# Allegro board FMDEMOD-Long.brd (continued)
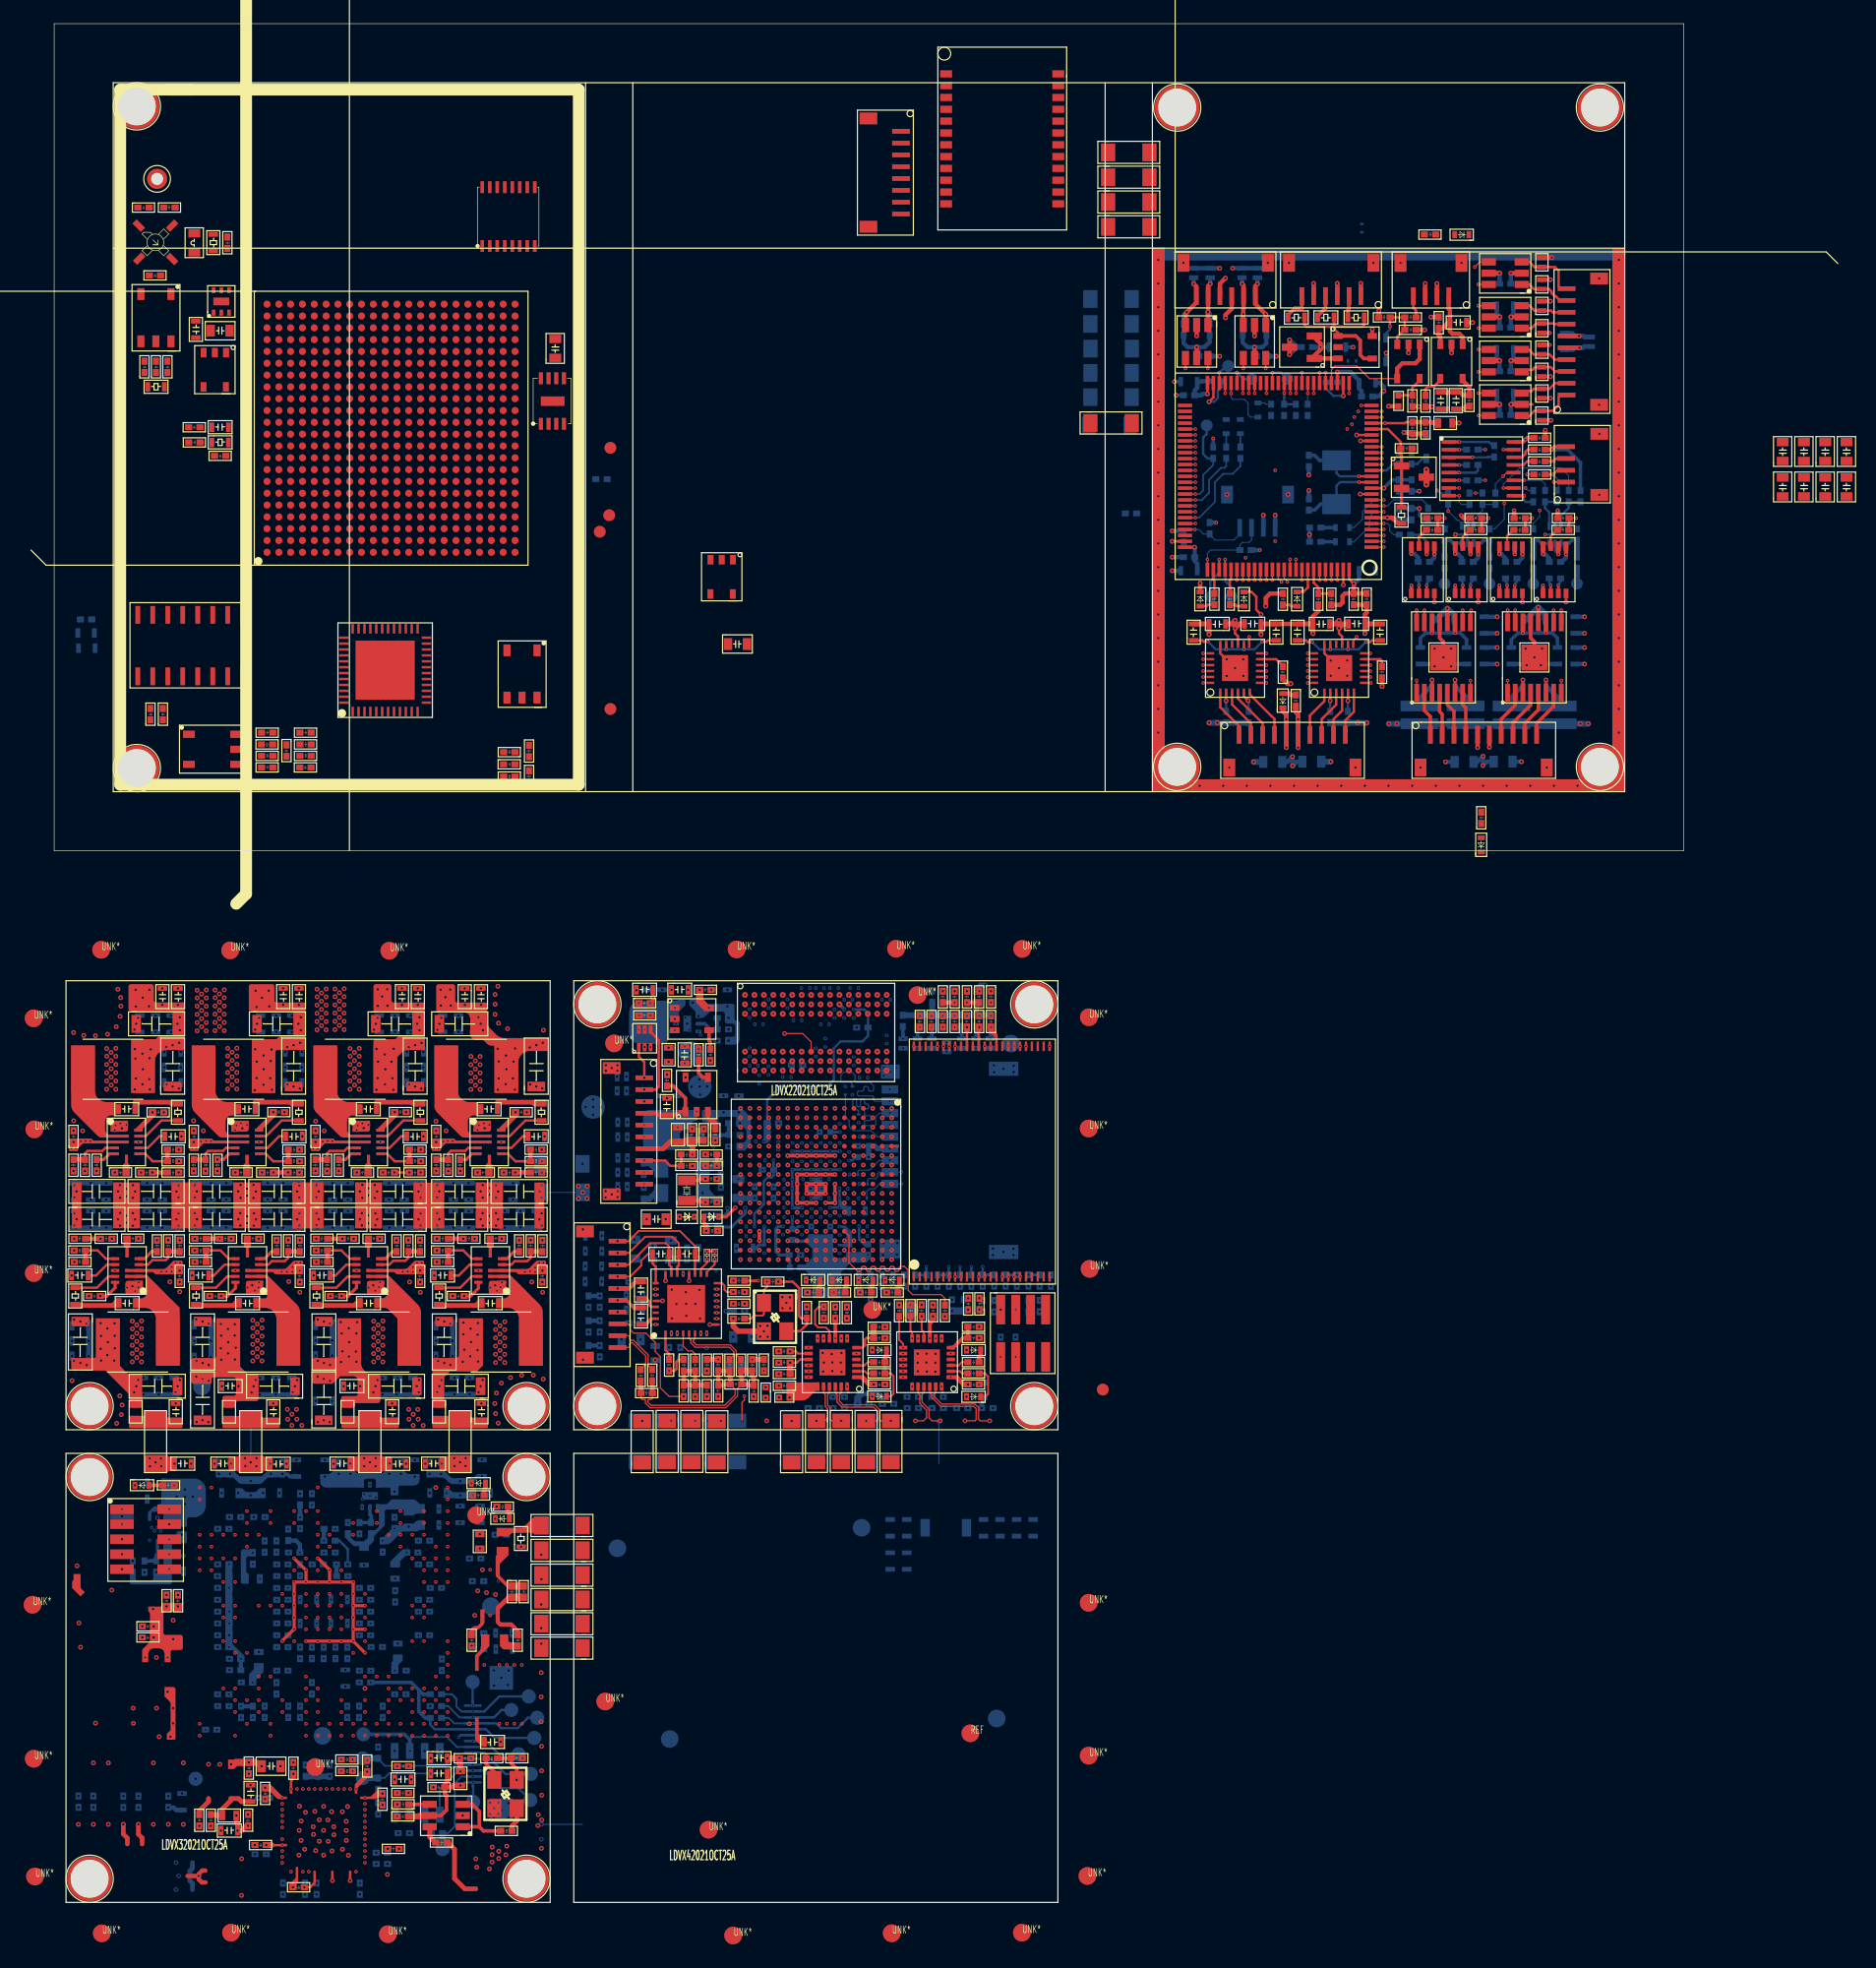
[diagram p0: board, top side]
## Placement (name value [footprint] x y rotation side) (continued)
NOREF#990  -  []  47.28 -32.99 90 top
NOREF#991  -  []  6.9 -62.16 0 top
NOREF#992  -  []  53.89 -42.6 90 top
NOREF#993  -  []  45.66 -38.13 0 top
NOREF#994  -  []  33.73 -84.32 90 top
NOREF#995  -  []  103.5 6.91 0 top
NOREF#996  -  []  119.7 6.91 0 top
NOREF#997  -  []  28.59 -82.1 0 top
NOREF#998  -  []  29.05 -13.15 0 top
NOREF#999  -  []  82.92 -38.51 0 top
NOREF#1000  -  []  7.34 43.12 0 top
NOREF#1001  -  []  25.74 -29.61 90 top
NOREF#1002  -  []  65.49 -26.61 0 top
NOREF#1003  -  []  98.1 25.71 0 top
NOREF#1004  -  []  8.17 -35.03 0 top
NOREF#1005  -  []  35.17 -17.04 0 top
NOREF#1006  -  []  10.08 -21.33 0 top
NOREF#1007  -  []  74.03 -16.81 0 top
NOREF#1008  -  []  11.44 -34.22 0 top
NOREF#1009  -  []  68.86 -21.26 90 top
NOREF#1010  -  []  20.26 -65.56 90 top
NOREF#1011  -  []  8.7 -44.53 90 top
NOREF#1012  -  []  111.1 21.2 90 top
NOREF#1013  -  []  17.67 -28.8 0 top
NOREF#1014  -  []  106.98 18.75 90 top
NOREF#1015  -  []  20.26 -67.56 90 top
NOREF#1016  -  []  9.23 -17.43 90 top
NOREF#1017  -  []  117.49 40.5 0 top
NOREF#1018  -  []  63.89 -28.17 90 top
NOREF#1019  -  []  8.76 -13.15 0 top
NOREF#1020  -  []  16.43 -75.42 0 top
NOREF#1021  -  []  20.44 -41.86 90 top
NOREF#1022  -  []  2.69 -28.03 0 top
NOREF#1023  -  []  102.2 6.9 90 top
NOREF#1024  -  []  51.4 -42.95 0 top
NOREF#1025  -  []  33.48 -46.1 0 top
NOREF#1026  -  []  51.48 -22.45 90 top
NOREF#1027  -  []  30.46 -35.03 0 top
NOREF#1028  -  []  53.2 -35.03 90 top
NOREF#1029  -  []  15.22 -79.76 0 top
NOREF#1030  -  []  56.3 -26.88 0 top
NOREF#1031  -  []  31.5 -27.61 90 top
NOREF#1032  -  []  79.44 -47.56 90 top
NOREF#1033  -  []  118.33 42.86 0 top
NOREF#1034  -  []  75.06 -37.96 0 top
NOREF#1035  -  []  8.88 -66.97 90 top
NOREF#1036  -  []  53.98 -33.15 90 top
NOREF#1037  -  []  26.91 -78.93 0 top
NOREF#1038  -  []  17.08 8.61 0 top
NOREF#1039  -  []  51.63 -18.06 0 top
NOREF#1040  -  []  8.75 -31.99 90 top
NOREF#1041  -  []  22.54 -30.38 0 top
NOREF#1042  -  []  62.5 -18.6 0 top
NOREF#1043  -  []  86.53 -37.96 90 top
NOREF#1044  -  []  114.1 30.67 90 top
NOREF#1045  -  []  28.74 -78.19 0 top
NOREF#1046  -  []  124.56 27.61 0 top
NOREF#1047  -  []  10.52 50.83 0 top
NOREF#1048  -  []  21.73 -23.24 0 top
NOREF#1049  -  []  64.58 -26.04 90 top
NOREF#1050  -  []  77.79 -39.3 90 top
NOREF#1051  -  []  124.08 34.89 90 top
NOREF#1052  -  []  20.43 -29.64 90 top
NOREF#1053  -  []  49.97 -28.22 90 top
NOREF#1054  -  []  35.82 -51.45 90 top
NOREF#1055  -  []  17.67 -26.42 0 top
NOREF#1056  -  []  25.84 -62.15 0 top
NOREF#1057  -  []  21.73 -63.78 0 top
NOREF#1058  -  []  33.56 -35.97 0 top
NOREF#1059  -  []  69.95 -11.8 0 top
NOREF#1060  -  []  13.05 -35.97 0 top
NOREF#1061  -  []  32.19 -45.88 0 top
NOREF#1062  -  []  110.24 43.94 0 top
NOREF#1063  -  []  47.57 -20.02 0 top
NOREF#1064  -  []  19.48 -17.92 0 top
NOREF#1065  -  []  51.39 -36.13 90 top
NOREF#1066  -  []  104.6 -36.3 90 top
NOREF#1067  -  []  63.89 -28.17 0 top
NOREF#1068  -  []  115.18 27.57 90 top
NOREF#1069  -  []  115.34 31.57 90 top
NOREF#1070  -  []  36.47 -33.22 90 top
NOREF#1071  -  []  7.47 -31.23 0 top
NOREF#1072  -  []  47.62 -28.72 90 top
NOREF#1073  -  []  33.86 -66.78 90 top
NOREF#1074  -  []  8.08 39.38 0 top
NOREF#1075  -  []  93 5 0 top
NOREF#1076  -  []  55.45 -13.3 90 top
NOREF#1077  -  []  83.54 -43.22 90 top
NOREF#1078  -  []  129.2 18.9 0 top
NOREF#1079  -  []  74.54 -14.43 0 top
NOREF#1080  -  []  28.59 -80.12 0 top
NOREF#1081  -  []  0.57 -35.28 0 top
NOREF#1082  -  []  17.83 -78.97 90 top
NOREF#1083  -  []  69.67 -37.77 90 top
NOREF#1084  -  []  22.52 -25.12 90 top
NOREF#1085  -  []  78.18 -14.38 90 top
NOREF#1086  -  []  65.49 -28.17 0 top
NOREF#1087  -  []  57.05 -39.98 0 top
NOREF#1088  -  []  57.47 -46.12 90 top
NOREF#1089  -  []  70.53 -44.61 0 top
NOREF#1090  -  []  22.17 -56.87 90 top
NOREF#1091  -  []  45.05 41.51 90 top
NOREF#1092  -  []  99.2 44.13 90 top
NOREF#1093  -  []  24.36 -26.6 0 top
NOREF#1094  -  []  8.78 -62.16 90 top
NOREF#1095  -  []  46.56 -29.48 0 top
NOREF#1096  -  []  14.38 -69.56 0 top
NOREF#1097  -  []  40.46 8.46 0 top
NOREF#1098  -  []  128.42 26.78 0 top
NOREF#1099  -  []  44.72 -42.33 0 top
NOREF#1100  -  []  25.29 -72.85 0 top
NOREF#1101  -  []  21.68 -77.19 90 top
NOREF#1102  -  []  9.22 -19.8 90 top
NOREF#1103  -  []  74.1 -37.96 90 top
NOREF#1104  -  []  77.67 -13.28 90 top
NOREF#1105  -  []  7.09 -13.83 0 top
NOREF#1106  -  []  16.78 -62 0 top
NOREF#1107  -  []  17.03 24.26 0 top
NOREF#1108  -  []  5.24 -29.61 90 top
NOREF#1109  -  []  99.95 24.28 0 top
NOREF#1110  -  []  128.31 40.7 90 top
NOREF#1111  -  []  10.43 -80.47 0 top
NOREF#1112  -  []  66.64 -13.75 0 top
NOREF#1113  -  []  60.35 -43.51 0 top
NOREF#1114  -  []  16.93 -70.81 0 top
NOREF#1115  -  []  5.24 -31.98 90 top
NOREF#1116  -  []  7.11 39.38 0 top
NOREF#1117  -  []  63.42 -14.57 0 top
NOREF#1118  -  []  76.56 -16.81 0 top
NOREF#1119  -  []  37.62 -27.61 0 top
NOREF#1120  -  []  40.95 -29.64 90 top
NOREF#1121  -  []  1 -49 90 top
NOREF#1122  -  []  60.9 -43.9 0 top
NOREF#1123  -  []  24.29 -72.85 0 top
NOREF#1124  -  []  52.78 -44.36 90 top
NOREF#1125  -  []  47.64 -25.7 0 top
NOREF#1126  -  []  37.95 -29.63 90 top
NOREF#1127  -  []  50.91 -41.78 90 top
NOREF#1128  -  []  48.21 -36.88 0 top
NOREF#1129  -  []  79.43 -12.34 90 top
NOREF#1130  -  []  61.09 -26.5 0 top
NOREF#1131  -  []  33.26 -72.56 90 top
NOREF#1132  -  []  75.28 -16.11 0 top
NOREF#1133  -  []  94.3 25.79 90 top
NOREF#1134  -  []  28.86 -64.78 90 top
NOREF#1135  -  []  33.49 -59.06 90 top
NOREF#1136  -  []  72.41 -44.61 90 top
NOREF#1137  -  []  120.24 40.65 0 top
NOREF#1138  -  []  104.12 30.89 0 top
NOREF#1139  -  []  58.93 -39.98 90 top
NOREF#1140  -  []  44.3 -27.8 0 top
NOREF#1141  -  []  9.23 -18.73 90 top
NOREF#1142  -  []  123.4 29.82 90 top
NOREF#1143  -  []  73.17 -37.96 90 top
NOREF#1144  -  []  2.68 -31.99 90 top
NOREF#1145  -  []  114.1 30.67 0 top
NOREF#1146  -  []  122.9 26.78 90 top
NOREF#1147  -  []  72.22 -37.96 0 top
NOREF#1148  -  []  49.2 -11.36 0 top
NOREF#1149  -  []  120.24 30.73 90 top
NOREF#1150  -  []  68.93 -41.62 0 top
NOREF#1151  -  []  126.8 13.06 90 top
NOREF#1152  -  []  104.89 19.3 0 top
NOREF#1153  -  []  64.3 52.4 0 top
NOREF#1154  -  []  31.79 -77.69 0 top
NOREF#1155  -  []  12.07 -26.6 0 top
NOREF#1156  -  []  32.98 -62.78 0 top
NOREF#1157  -  []  70.77 -26.2 0 top
NOREF#1158  -  []  54.7 -27.38 0 top
NOREF#1159  -  []  15.63 -82.05 90 top
NOREF#1160  -  []  74.03 -16.81 90 top
NOREF#1161  -  []  53.45 -22.08 0 top
NOREF#1162  -  []  12.23 -30.38 0 top
NOREF#1163  -  []  115.51 42.91 0 top
NOREF#1164  -  []  11.78 -33.42 90 top
NOREF#1165  -  []  71.8 -57.29 0 top
NOREF#1166  -  []  20.27 -32 0 top
NOREF#1167  -  []  32.12 -28.02 0 top
NOREF#1168  -  []  124.68 42.91 90 top
NOREF#1169  -  []  71.06 -47.19 90 top
NOREF#1170  -  []  41.48 -27.45 0 top
NOREF#1171  -  []  34.95 -83.53 90 top
NOREF#1172  -  []  28.21 -58.21 90 top
NOREF#1173  -  []  36.87 -54.94 90 top
NOREF#1174  -  []  77.67 -11.4 0 top
NOREF#1175  -  []  75.95 -37.15 0 top
NOREF#1176  -  []  72 -58.1 90 top
NOREF#1177  -  []  115.2 43.97 90 top
NOREF#1178  -  []  69.38 -37.96 0 top
NOREF#1179  -  []  81.3 -58.1 90 top
NOREF#1180  -  []  14.99 33.03 90 top
NOREF#1181  -  []  23.47 -36.34 90 top
NOREF#1182  -  []  6.5 -45.88 0 top
NOREF#1183  -  []  17.95 -74.46 90 top
NOREF#1184  -  []  104.02 38.89 0 top
NOREF#1185  -  []  66.98 -32.03 90 top
NOREF#1186  -  []  50.84 -47.07 0 top
NOREF#1187  -  []  3.5 -29.63 90 top
NOREF#1188  -  []  29.25 -28.8 0 top
NOREF#1189  -  []  58.55 -29.59 90 top
NOREF#1190  -  []  56.54 -34.19 90 top
NOREF#1191  -  []  98.49 18 0 top
NOREF#1192  -  []  80.76 -40.12 90 top
NOREF#1193  -  []  36.23 -54.75 90 top
NOREF#1194  -  []  38.84 -35.03 0 top
NOREF#1195  -  []  25.05 -61.78 0 top
NOREF#1196  -  []  27.41 -79.33 0 top
NOREF#1197  -  []  55.84 -46.65 90 top
NOREF#1198  -  []  26.04 -46.68 90 top
NOREF#1199  -  []  10.87 -31.23 90 top
NOREF#1200  -  []  9.5 -13.84 0 top
NOREF#1201  -  []  18.69 5.88 0 top
NOREF#1202  -  []  17.09 -14.63 0 top
NOREF#1203  -  []  35.65 -53.75 0 top
NOREF#1204  -  []  81.46 -12.34 90 top
NOREF#1205  -  []  14.94 -85.32 90 top
NOREF#1206  -  []  22.38 -26.6 0 top
NOREF#1207  -  []  49.15 -18.4 90 top
NOREF#1208  -  []  21.29 -54.87 0 top
NOREF#1209  -  []  41.08 5.11 90 top
NOREF#1210  -  []  34.04 -56.85 0 top
NOREF#1211  -  []  41.75 -27.61 90 top
NOREF#1212  -  []  15.7 -45.71 90 top
NOREF#1213  -  []  118.11 22.32 90 top
NOREF#1214  -  []  60.14 -24.44 90 top
NOREF#1215  -  []  83.65 -37.96 90 top
NOREF#1216  -  []  116.66 32.65 0 top
NOREF#1217  -  []  31.39 -49.71 0 top
NOREF#1218  -  []  19.48 -20.04 90 top
NOREF#1219  -  []  59.12 -13.29 90 top
NOREF#1220  -  []  68.93 -43.66 0 top
NOREF#1221  -  []  66.88 -13.75 90 top
NOREF#1222  -  []  14.16 -28.02 90 top
NOREF#1223  -  []  67.9 -18.76 0 top
NOREF#1224  -  []  33.26 -74.56 90 top
NOREF#1225  -  []  83.7 -37.96 0 top
NOREF#1226  -  []  14.16 -26.42 0 top
NOREF#1227  -  []  110.88 14.21 90 top
NOREF#1228  -  []  57.19 -34.19 90 top
NOREF#1229  -  []  11.77 -40.52 0 top
NOREF#1230  -  []  118.1 45.11 0 top
NOREF#1231  -  []  35.65 -55.35 90 top
NOREF#1232  -  []  28.18 -57.3 90 top
NOREF#1233  -  []  56.27 -19.03 0 top
NOREF#1234  -  []  66.54 -40.03 90 top
NOREF#1235  -  []  76.51 -14.43 0 top
NOREF#1236  -  []  18.99 -13.15 0 top
NOREF#1237  -  []  21.83 -77.83 0 top
NOREF#1238  -  []  64.13 -10.37 0 top
NOREF#1239  -  []  54.95 -35.02 90 top
NOREF#1240  -  []  15.52 -21.46 0 top
NOREF#1241  -  []  33.29 -38.07 0 top
NOREF#1242  -  []  12.8 35.45 90 top
NOREF#1243  -  []  19.72 -53.19 90 top
NOREF#1244  -  []  110.43 40.76 90 top
NOREF#1245  -  []  120.01 15.7 90 top
NOREF#1246  -  []  37.66 -34 90 top
NOREF#1247  -  []  55.66 -46.65 0 top
NOREF#1248  -  []  11.79 -65.78 90 top
NOREF#1249  -  []  77.28 -40.05 0 top
NOREF#1250  -  []  52.84 -34.79 90 top
NOREF#1251  -  []  55.96 -18.21 90 top
NOREF#1252  -  []  10.08 -22.93 90 top
NOREF#1253  -  []  65.13 -21.24 90 top
NOREF#1254  -  []  33.21 -68.23 90 top
NOREF#1255  -  []  56.44 -46.65 90 top
NOREF#1256  -  []  18.98 -26.42 0 top
NOREF#1257  -  []  17 -44.52 90 top
NOREF#1258  -  []  54.62 -24.96 0 top
NOREF#1259  -  []  56.48 -43.51 0 top
NOREF#1260  -  []  28.77 -31.23 90 top
NOREF#1261  -  []  101.49 43.2 0 top
NOREF#1262  -  []  60.9 -45.67 90 top
NOREF#1263  -  []  22.07 -72.47 0 top
NOREF#1264  -  []  58.26 -24.44 0 top
NOREF#1265  -  []  26.17 -72.85 90 top
NOREF#1266  -  []  27.17 -72.85 90 top
NOREF#1267  -  []  113.85 33.25 90 top
NOREF#1268  -  []  52.05 -30.56 90 top
NOREF#1269  -  []  3.98 -31.99 90 top
NOREF#1270  -  []  22.21 6.66 90 top
NOREF#1271  -  []  65.19 -28.99 0 top
NOREF#1272  -  []  31.38 -73.56 0 top
NOREF#1273  -  []  28.46 -17.04 0 top
NOREF#1274  -  []  106.66 22.23 0 top
NOREF#1275  -  []  11.78 -62 0 top
NOREF#1276  -  []  33.83 -34.22 90 top
NOREF#1277  -  []  25.54 -34 0 top
NOREF#1278  -  []  33.86 -63.78 90 top
NOREF#1279  -  []  37.74 -31.99 0 top
NOREF#1280  -  []  92.13 27.38 90 top
NOREF#1281  -  []  27.93 -15.44 90 top
NOREF#1282  -  []  25.73 -78.28 90 top
NOREF#1283  -  []  124.54 19.97 90 top
NOREF#1284  -  []  73.64 -46.61 90 top
NOREF#1285  -  []  124.56 18.36 0 top
NOREF#1286  -  []  18.96 8.61 90 top
NOREF#1287  -  []  66.36 -21.24 90 top
NOREF#1288  -  []  25.49 -90.38 90 top
NOREF#1289  -  []  44.05 -37.65 0 top
NOREF#1290  -  []  62.9 -12.91 90 top
NOREF#1291  -  []  19.87 -78.58 0 top
NOREF#1292  -  []  123.9 23.59 90 top
NOREF#1293  -  []  31.36 -19.23 0 top
NOREF#1294  -  []  57.11 -44.79 0 top
NOREF#1295  -  []  55.48 -34.19 0 top
NOREF#1296  -  []  38.44 -67.95 90 top
NOREF#1297  -  []  36.47 -32.44 0 top
NOREF#1298  -  []  75.25 -47.56 90 top
NOREF#1299  -  []  40.02 -24.58 0 top
NOREF#1300  -  []  68.93 -43.66 0 top
NOREF#1301  -  []  77.56 -47.56 0 top
NOREF#1302  -  []  35.58 -54.75 90 top
NOREF#1303  -  []  124.85 31.46 0 top
NOREF#1304  -  []  96.09 16.1 90 top
NOREF#1305  -  []  15.43 -29.61 90 top
NOREF#1306  -  []  77.94 -15.39 0 top
NOREF#1307  -  []  58.75 -17.4 0 top
NOREF#1308  -  []  36.88 -57.5 90 top
NOREF#1309  -  []  33.48 -46.1 90 top
NOREF#1310  -  []  98.21 43.98 0 top
NOREF#1311  -  []  32.17 -51.59 90 top
NOREF#1312  -  []  10.92 35.45 0 top
NOREF#1313  -  []  124.54 20.78 0 top
NOREF#1314  -  []  87.6 2.4 0 top
NOREF#1315  -  []  121.8 15.9 0 top
NOREF#1316  -  []  37.01 -55.9 0 top
NOREF#1317  -  []  72.05 -41.25 90 top
NOREF#1318  -  []  14.41 -62.02 0 top
NOREF#1319  -  []  110.9 11.33 90 top
NOREF#1320  -  []  78.16 -40.05 90 top
NOREF#1321  -  []  58.07 -48.26 90 top
NOREF#1322  -  []  111.1 18.8 90 top
NOREF#1323  -  []  34.78 -46.1 90 top
NOREF#1324  -  []  64.22 -28.03 0 top
NOREF#1325  -  []  107.44 20.35 90 top
NOREF#1326  -  []  30.56 -46.12 90 top
NOREF#1327  -  []  15.73 -80.58 90 top
NOREF#1328  -  []  13.27 -53.95 90 top
NOREF#1329  -  []  133 5 90 top
NOREF#1330  -  []  15.05 42.63 90 top
NOREF#1331  -  []  16.53 -84.53 0 top
NOREF#1332  -  []  17.23 -29.64 0 top
NOREF#1333  -  []  71.98 -40.5 0 top
NOREF#1334  -  []  95.3 23.3 90 top
NOREF#1335  -  []  34.63 -26.6 0 top
NOREF#1336  -  []  50.28 -34.82 0 top
NOREF#1337  -  []  74.46 -14.38 90 top
NOREF#1338  -  []  39.08 -31.99 0 top
NOREF#1339  -  []  72.22 -37.96 90 top
NOREF#1340  -  []  16.3 42.63 90 top
NOREF#1341  -  []  66.36 -27.8 0 top
NOREF#1342  -  []  95.2 46.4 0 top
NOREF#1343  -  []  2.49 -38.07 0 top
NOREF#1344  -  []  97.66 23.79 0 top
NOREF#1345  -  []  113.1 38.57 90 top
NOREF#1346  -  []  50.28 -34.82 90 top
NOREF#1347  -  []  37.29 -65 0 top
NOREF#1348  -  []  117.55 33.04 0 top
NOREF#1349  -  []  20 -15.44 90 top
NOREF#1350  -  []  116.73 29.5 0 top
NOREF#1351  -  []  116.4 15.9 0 top
NOREF#1352  -  []  124.68 50.9 0 top
NOREF#1353  -  []  126.28 43.12 0 top
NOREF#1354  -  []  78.39 -14.43 90 top
NOREF#1355  -  []  18.65 -53.14 90 top
NOREF#1356  -  []  18.94 -53.19 0 top
NOREF#1357  -  []  38.45 -28.03 0 top
NOREF#1358  -  []  29.24 -28.03 0 top
NOREF#1359  -  []  126.09 14.1 90 top
NOREF#1360  -  []  23.85 -78.28 0 top
NOREF#1361  -  []  87.6 2.4 90 top
NOREF#1362  -  []  65.28 -28.03 90 top
NOREF#1363  -  []  4.72 -35.97 90 top
NOREF#1364  -  []  33.39 -77.2 90 top
NOREF#1365  -  []  127.6 23.59 90 top
NOREF#1366  -  []  99.1 19.61 0 top
NOREF#1367  -  []  13.18 -36.34 90 top
NOREF#1368  -  []  57.81 -28.95 90 top
NOREF#1369  -  []  121.94 45.45 0 top
NOREF#1370  -  []  104.02 38.11 90 top
NOREF#1371  -  []  49.66 -22.23 90 top
NOREF#1372  -  []  48.21 -40.37 90 top
NOREF#1373  -  []  25.17 -52.28 90 top
NOREF#1374  -  []  111.16 33.14 0 top
NOREF#1375  -  []  27.65 -57.83 90 top
NOREF#1376  -  []  18.38 -62.56 0 top
NOREF#1377  -  []  99.42 21.96 90 top
NOREF#1378  -  []  7.76 12.5 90 top
NOREF#1379  -  []  20.27 -35.03 0 top
NOREF#1380  -  []  3.5 18.84 0 top
NOREF#1381  -  []  110.25 38.84 0 top
NOREF#1382  -  []  82.7 -58.1 90 top
NOREF#1383  -  []  108.72 42.62 90 top
NOREF#1384  -  []  28.7 -70.1 0 top
NOREF#1385  -  []  53.77 -12.17 90 top
NOREF#1386  -  []  14.35 -73.74 90 top
NOREF#1387  -  []  68.5 -13.75 90 top
NOREF#1388  -  []  35.96 -29.61 90 top
NOREF#1389  -  []  34 -76.9 0 top
NOREF#1390  -  []  35.17 -13.15 90 top
NOREF#1391  -  []  98.99 42.1 90 top
NOREF#1392  -  []  64.74 -30.09 0 top
NOREF#1393  -  []  78.97 -16.8 0 top
NOREF#1394  -  []  64.81 -25.61 90 top
NOREF#1395  -  []  26.24 -26.6 90 top
NOREF#1396  -  []  64.12 -31.16 90 top
NOREF#1397  -  []  0 -90 90 top
NOREF#1398  -  []  23.63 -46.97 90 top
NOREF#1399  -  []  12.4 -29.63 90 top
NOREF#1400  -  []  19.17 -45.33 0 top
NOREF#1401  -  []  50.98 -19.03 0 top
NOREF#1402  -  []  15.96 -26.6 90 top
NOREF#1403  -  []  69.18 -47.19 0 top
NOREF#1404  -  []  94.3 26.57 0 top
NOREF#1405  -  []  114.42 33.23 0 top
NOREF#1406  -  []  120.2 26.03 90 top
NOREF#1407  -  []  26.66 -62.15 90 top
NOREF#1408  -  []  75.44 -14.43 90 top
NOREF#1409  -  []  78.79 -45.56 90 top
NOREF#1410  -  []  26.15 -33.22 90 top
NOREF#1411  -  []  10.56 -42.92 0 top
NOREF#1412  -  []  40.5 -67.96 90 top
NOREF#1413  -  []  1.23 -34.22 0 top
NOREF#1414  -  []  150.6 28.54 90 top
NOREF#1415  -  []  50.56 -29.48 90 top
NOREF#1416  -  []  29.5 -70.1 90 top
NOREF#1417  -  []  118.75 21.88 0 top
NOREF#1418  -  []  17.14 -27.61 0 top
NOREF#1419  -  []  107.73 24.98 90 top
NOREF#1420  -  []  115.33 25.58 90 top
NOREF#1421  -  []  55.8 -31.8 90 top
NOREF#1422  -  []  9.28 -24.58 90 top
NOREF#1423  -  []  36.52 -26.6 90 top
NOREF#1424  -  []  40.95 -36.96 0 top
NOREF#1425  -  []  96.09 16.1 0 top
NOREF#1426  -  []  32.65 -81.58 90 top
NOREF#1427  -  []  76.91 -15.39 0 top
NOREF#1428  -  []  77.92 -37.96 0 top
NOREF#1429  -  []  84.1 -58.1 90 top
NOREF#1430  -  []  105.5 37.33 90 top
NOREF#1431  -  []  114.58 15.13 90 top
NOREF#1432  -  []  123.9 29.98 0 top
NOREF#1433  -  []  71.3 -15.94 90 top
NOREF#1434  -  []  30.24 -33.42 0 top
NOREF#1435  -  []  67.22 -11.4 90 top
NOREF#1436  -  []  15.26 -58.56 90 top
NOREF#1437  -  []  120.47 45.69 90 top
NOREF#1438  -  []  14.85 35.44 90 top
NOREF#1439  -  []  21.73 -34.22 0 top
NOREF#1440  -  []  100.7 32.11 0 top
NOREF#1441  -  []  129.6 30.03 90 top
NOREF#1442  -  []  30.9 -52.35 0 top
NOREF#1443  -  []  4.72 -34 90 top
NOREF#1444  -  []  32.36 -49.71 0 top
NOREF#1445  -  []  64.12 -30.5 90 top
NOREF#1446  -  []  24.48 -28.8 0 top
NOREF#1447  -  []  109.7 19.6 90 top
NOREF#1448  -  []  69.04 -22.94 0 top
NOREF#1449  -  []  11.58 -31.99 90 top
NOREF#1450  -  []  114.24 29.97 90 top
NOREF#1451  -  []  52.4 -15.79 0 top
NOREF#1452  -  []  56.6 -40.33 90 top
NOREF#1453  -  []  18.4 -14.63 0 top
NOREF#1454  -  []  2.97 -36.34 90 top
NOREF#1455  -  []  38.72 -68.39 0 top
NOREF#1456  -  []  11.77 -41.89 0 top
NOREF#1457  -  []  9.42 38.86 90 top
NOREF#1458  -  []  122.31 19.9 90 top
NOREF#1459  -  []  65.49 -28.17 90 top
NOREF#1460  -  []  74.11 -37.96 0 top
NOREF#1461  -  []  20.28 -28.03 0 top
NOREF#1462  -  []  70.29 -37.96 90 top
NOREF#1463  -  []  122.25 21.2 90 top
NOREF#1464  -  []  64.77 -23.06 0 top
NOREF#1465  -  []  79.08 -36.35 0 top
NOREF#1466  -  []  1.37 -35.53 0 top
NOREF#1467  -  []  112.8 41.4 90 top
NOREF#1468  -  []  28.22 -45.08 0 top
NOREF#1469  -  []  14.98 -60.78 0 top
NOREF#1470  -  []  58.44 -46.12 90 top
NOREF#1471  -  []  33.4 -32 90 top
NOREF#1472  -  []  4.68 -27.61 0 top
NOREF#1473  -  []  116.83 19.97 90 top
NOREF#1474  -  []  121.94 48.37 90 top
NOREF#1475  -  []  9.77 -63.45 0 top
NOREF#1476  -  []  71.26 -40.05 90 top
NOREF#1477  -  []  55.44 -45.69 90 top
NOREF#1478  -  []  16.07 -74.46 0 top
NOREF#1479  -  []  33.7 -25.76 90 top
NOREF#1480  -  []  57.05 -38.72 0 top
NOREF#1481  -  []  34.7 -32 90 top
NOREF#1482  -  []  78.39 -12.34 90 top
NOREF#1483  -  []  29.57 -77.91 90 top
NOREF#1484  -  []  6.85 -13.84 0 top
NOREF#1485  -  []  127.72 30.03 0 top
NOREF#1486  -  []  2.04 -30.38 0 top
NOREF#1487  -  []  122.3 29.82 90 top
NOREF#1488  -  []  50.1 -41.78 0 top
NOREF#1489  -  []  32.12 -32 0 top
NOREF#1490  -  []  22.85 -27.45 90 top
NOREF#1491  -  []  64.74 -28.49 0 top
NOREF#1492  -  []  49.77 -13.27 0 top
NOREF#1493  -  []  9.57 -13.15 90 top
NOREF#1494  -  []  126.85 26.76 0 top
NOREF#1495  -  []  40.95 -32.01 90 top
NOREF#1496  -  []  70.4 -57.29 0 top
NOREF#1497  -  []  59.87 -33.68 0 top
NOREF#1498  -  []  67.79 -37.77 0 top
NOREF#1499  -  []  41.75 -25.68 90 top
NOREF#1500  -  []  31.79 -76.39 0 top
NOREF#1501  -  []  121.7 6.91 90 top
NOREF#1502  -  []  104 44.13 90 top
NOREF#1503  -  []  18.09 -21.73 0 top
NOREF#1504  -  []  66.86 -47.56 90 top
NOREF#1505  -  []  11.37 -44.52 90 top
NOREF#1506  -  []  110.86 19.21 0 top
NOREF#1507  -  []  6.98 -39.48 0 top
NOREF#1508  -  []  6.95 -34 90 top
NOREF#1509  -  []  61.06 -24.93 0 top
NOREF#1510  -  []  23.61 -34.22 90 top
NOREF#1511  -  []  67.09 -24.32 0 top
NOREF#1512  -  []  66.52 -11.86 0 top
NOREF#1513  -  []  121.81 22.32 0 top
NOREF#1514  -  []  7 -29.64 0 top
NOREF#1515  -  []  98.64 23.84 0 top
NOREF#1516  -  []  27.98 -58.91 90 top
NOREF#1517  -  []  126.73 33.56 90 top
NOREF#1518  -  []  29.03 -46.68 90 top
NOREF#1519  -  []  60.51 -46.35 90 top
NOREF#1520  -  []  100.8 -18.7 90 top
NOREF#1521  -  []  118.1 34.6 0 top
NOREF#1522  -  []  23.73 -78.79 90 top
NOREF#1523  -  []  37.75 -32.01 0 top
NOREF#1524  -  []  101.83 24.28 90 top
NOREF#1525  -  []  46.48 -31.39 0 top
NOREF#1526  -  []  52.14 -19.41 0 top
NOREF#1527  -  []  38.9 -67.15 0 top
NOREF#1528  -  []  129.64 30.67 90 top
NOREF#1529  -  []  28.79 -78.93 90 top
NOREF#1530  -  []  61.03 -31.23 0 top
NOREF#1531  -  []  39.52 -75.01 90 top
NOREF#1532  -  []  19.19 -53.94 0 top
NOREF#1533  -  []  126.6 26.78 90 top
NOREF#1534  -  []  69 -30.09 90 top
NOREF#1535  -  []  70.41 -12.86 90 top
NOREF#1536  -  []  123.08 13.38 0 top
NOREF#1537  -  []  22.02 -48.05 90 top
NOREF#1538  -  []  35.4 -27.61 0 top
NOREF#1539  -  []  5.24 19.19 90 top
NOREF#1540  -  []  32.76 -30.38 0 top
NOREF#1541  -  []  73.82 -14.38 0 top
NOREF#1542  -  []  9.89 -45.87 0 top
NOREF#1543  -  []  18.38 -70.56 0 top
NOREF#1544  -  []  30.12 -49.85 0 top
NOREF#1545  -  []  115.74 36.73 0 top
NOREF#1546  -  []  52.99 -18.07 90 top
NOREF#1547  -  []  62 -19.77 90 top
NOREF#1548  -  []  12.48 51.71 0 top
NOREF#1549  -  []  52.95 -31.4 0 top
NOREF#1550  -  []  12.49 -73.03 0 top
NOREF#1551  -  []  73.87 -47.39 0 top
NOREF#1552  -  []  15.9 -32.44 0 top
NOREF#1553  -  []  17.36 -56.92 90 top
NOREF#1554  -  []  38.6 -22.52 90 top
NOREF#1555  -  []  18.55 -82.02 90 top
NOREF#1556  -  []  51.08 -13.27 0 top
NOREF#1557  -  []  28.39 -69.77 0 top
NOREF#1558  -  []  57.52 -7.21 0 top
NOREF#1559  -  []  123.15 26.76 0 top
NOREF#1560  -  []  19.65 -61.82 90 top
NOREF#1561  -  []  6.18 -55.27 0 top
NOREF#1562  -  []  26.78 -71.77 90 top
NOREF#1563  -  []  142.98 37.33 90 top
NOREF#1564  -  []  31.23 -27.45 0 top
NOREF#1565  -  []  14.35 -73.74 0 top
NOREF#1566  -  []  2.84 -34 0 top
NOREF#1567  -  []  65.43 -39.06 0 top
NOREF#1568  -  []  27.97 -32 90 top
NOREF#1569  -  []  62.19 -31.8 0 top
NOREF#1570  -  []  118.4 6.9 90 top
NOREF#1571  -  []  84.65 -37.96 0 top
NOREF#1572  -  []  111.77 44.17 90 top
NOREF#1573  -  []  29.98 -23.29 0 top
NOREF#1574  -  []  64.59 -11.43 90 top
NOREF#1575  -  []  122.45 21.88 0 top
NOREF#1576  -  []  56.86 18.12 0 top
NOREF#1577  -  []  128.03 21.88 90 top
NOREF#1578  -  []  27.5 -32.01 0 top
NOREF#1579  -  []  31.38 -76.18 0 top
NOREF#1580  -  []  33.26 -73.56 90 top
NOREF#1581  -  []  28.39 -69.77 90 top
NOREF#1582  -  []  70.77 -28.2 90 top
NOREF#1583  -  []  48.35 -38 90 top
NOREF#1584  -  []  18.38 -64.56 0 top
NOREF#1585  -  []  28.86 -65.78 90 top
NOREF#1586  -  []  60.24 -12.91 0 top
NOREF#1587  -  []  31.5 -25.68 90 top
NOREF#1588  -  []  24.41 -44.9 0 top
NOREF#1589  -  []  67.95 -37.15 0 top
NOREF#1590  -  []  116.68 46.11 0 top
NOREF#1591  -  []  76.56 -16.81 90 top
NOREF#1592  -  []  18.43 -73.42 90 top
NOREF#1593  -  []  127.1 26 0 top
NOREF#1594  -  []  27.5 -29.64 0 top
NOREF#1595  -  []  24.25 -67.62 0 top
NOREF#1596  -  []  67.31 -39.06 90 top
NOREF#1597  -  []  29.27 -17.04 90 top
NOREF#1598  -  []  27.4 -22.27 90 top
NOREF#1599  -  []  73.71 -38.89 0 top
NOREF#1600  -  []  34.7 -28.02 0 top
NOREF#1601  -  []  127.28 43.12 90 top
NOREF#1602  -  []  5.34 -21.46 0 top
NOREF#1603  -  []  7.87 -21.75 0 top
NOREF#1604  -  []  27.36 -46.12 0 top
NOREF#1605  -  []  9.23 -17.92 0 top
NOREF#1606  -  []  116.4 24.37 0 top
NOREF#1607  -  []  20.44 -41.86 0 top
NOREF#1608  -  []  65.37 -12.32 90 top
NOREF#1609  -  []  126.8 6.4 90 top
NOREF#1610  -  []  41.11 -64.28 90 top
NOREF#1611  -  []  55.18 -16.33 0 top
NOREF#1612  -  []  15.27 -68.56 90 top
NOREF#1613  -  []  110.24 43.94 90 top
NOREF#1614  -  []  33 -38.48 90 top
NOREF#1615  -  []  111.89 17.7 90 top
NOREF#1616  -  []  40.41 -31.99 0 top
NOREF#1617  -  []  10.05 -31.99 90 top
NOREF#1618  -  []  30.6 -36.96 0 top
NOREF#1619  -  []  61.18 -30.51 0 top
NOREF#1620  -  []  107.01 46.77 0 top
NOREF#1621  -  []  52.29 -19.03 0 top
NOREF#1622  -  []  32.76 -46.12 0 top
NOREF#1623  -  []  21.89 -31.23 0 top
NOREF#1624  -  []  37.28 -27.61 90 top
NOREF#1625  -  []  10.05 -31.99 0 top
NOREF#1626  -  []  104.62 37.33 0 top
NOREF#1627  -  []  66.33 -30.09 0 top
NOREF#1628  -  []  32.17 -46.1 0 top
NOREF#1629  -  []  18.38 -67.56 0 top
NOREF#1630  -  []  50.94 -13.28 90 top
NOREF#1631  -  []  16.65 -59.82 90 top
NOREF#1632  -  []  57.68 -33.23 0 top
NOREF#1633  -  []  126.09 14.1 0 top
NOREF#1634  -  []  58.26 -25.42 0 top
NOREF#1635  -  []  26.15 -32.44 0 top
NOREF#1636  -  []  64.3 52.4 90 top
NOREF#1637  -  []  51.27 -26.89 90 top
NOREF#1638  -  []  30.29 -86.13 90 top
NOREF#1639  -  []  50.98 -20.63 90 top
NOREF#1640  -  []  35.97 -15.43 90 top
NOREF#1641  -  []  95.12 44.13 0 top
NOREF#1642  -  []  59.26 -44.87 90 top
NOREF#1643  -  []  11.79 -64 0 top
NOREF#1644  -  []  27.29 -72.85 0 top
NOREF#1645  -  []  14.03 -82.52 0 top
NOREF#1646  -  []  10.2 -29.64 90 top
NOREF#1647  -  []  18.31 -35.03 0 top
NOREF#1648  -  []  24.25 -59.55 90 top
